# KiCad board Floppy Board v3.1.kicad_pcb (continued)
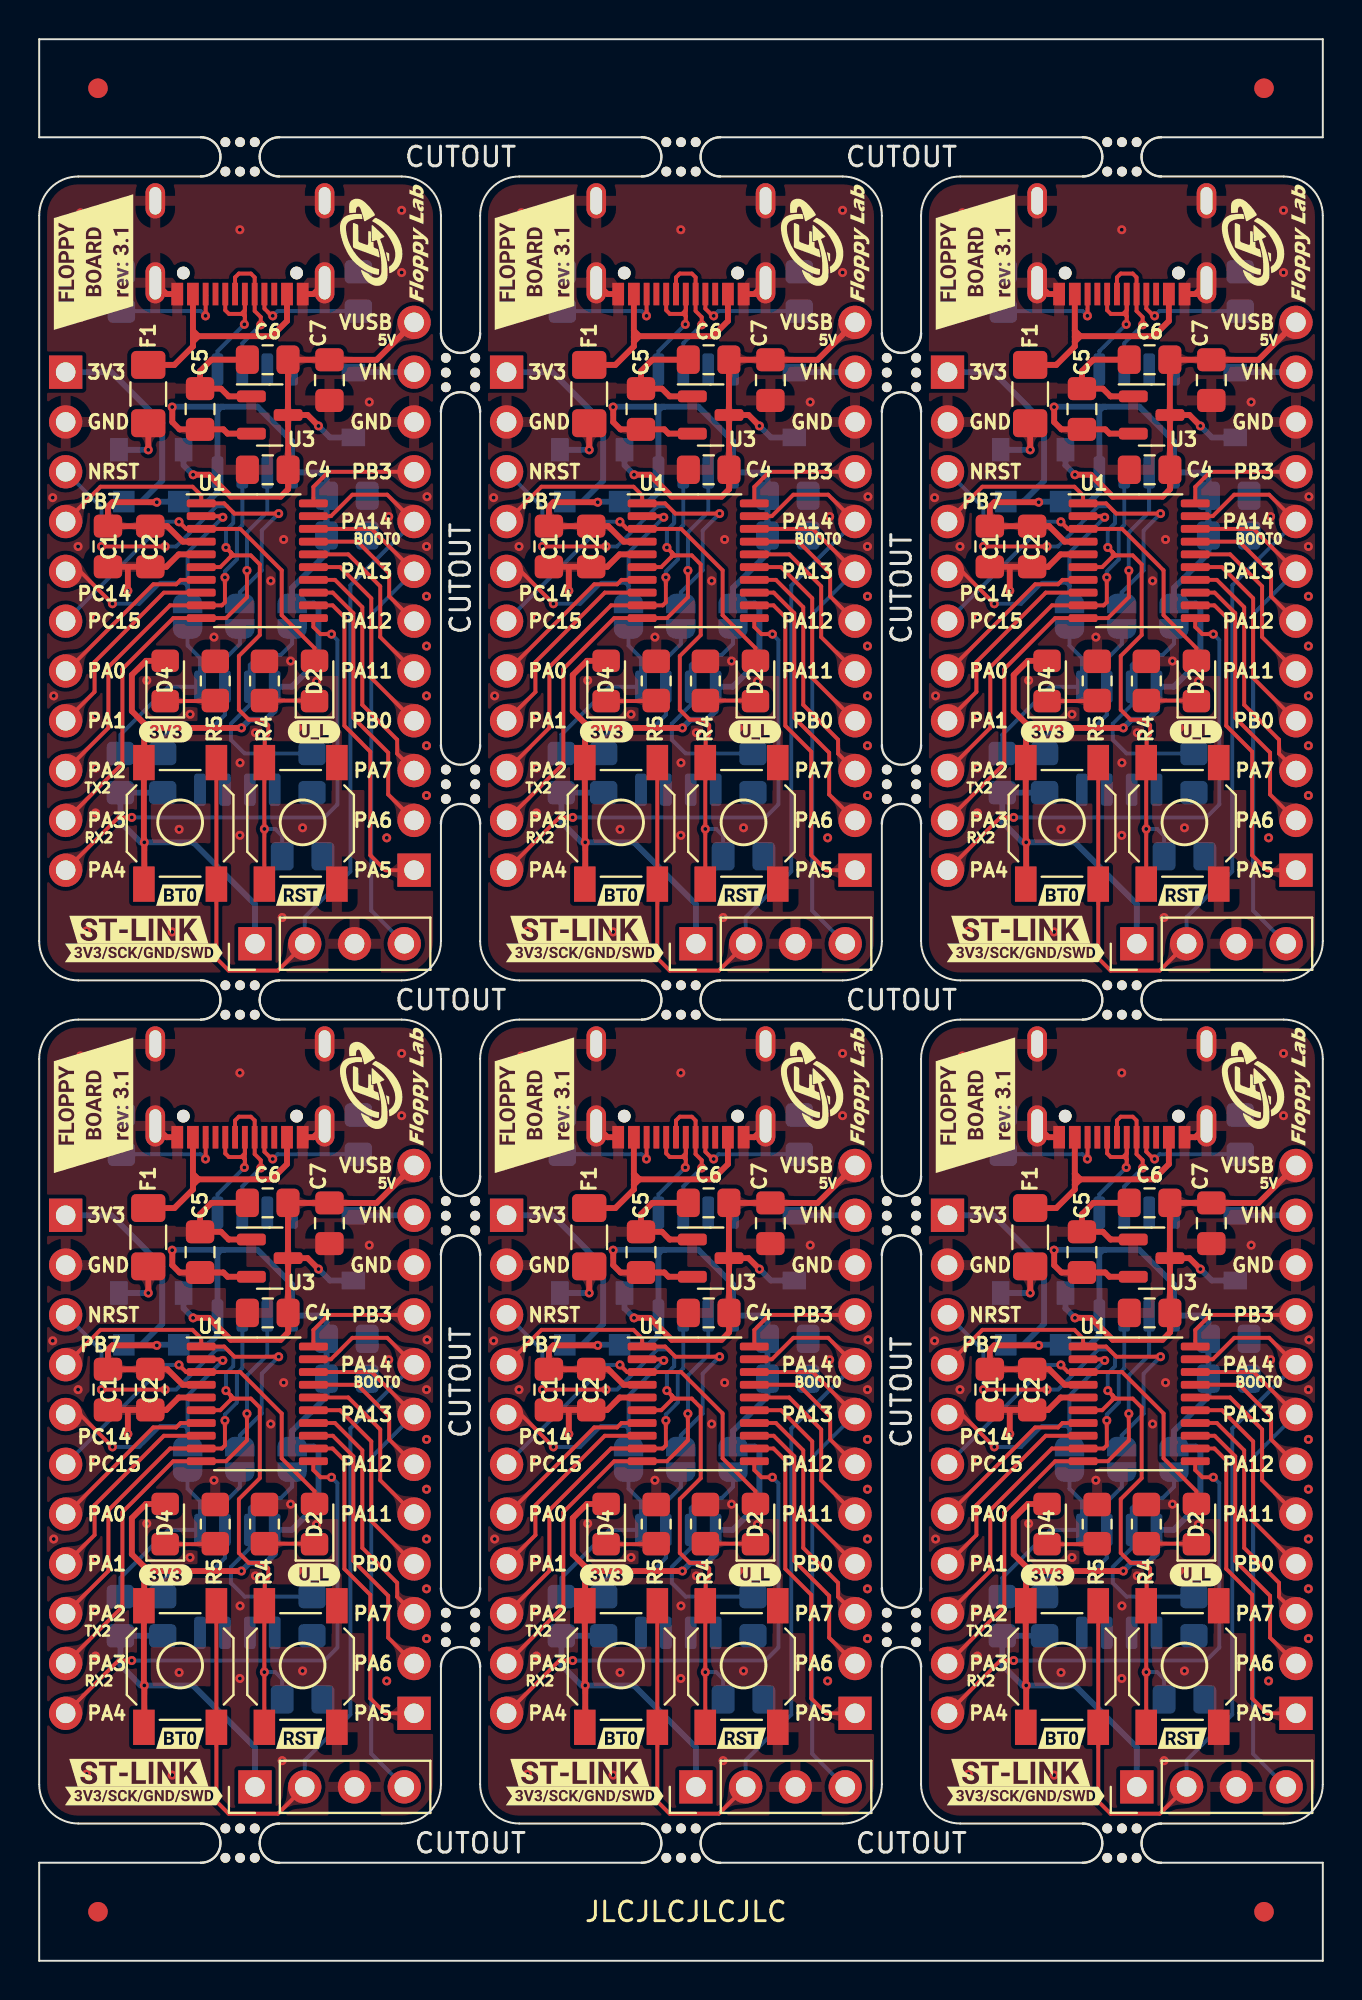
[diagram p0: board, top side]
## Copper pours and planes (outline as drawn; the poured copper is in the pictures) (continued)
+3V3 on Top: 27.93,23.07 28.01,23.13 28.09,23.16 28.16,23.16 28.23,23.13 28.29,23.09 28.36,23.03 28.43,22.96 28.51,22.89 28.59,22.83 28.68,22.78 29.22,23.3 28.52,23.7 28.44,23.63 28.36,23.58 28.29,23.55 28.21,23.53 28.06,23.49 27.98,23.46 27.9,23.42 27.81,23.36 27.72,23.28
+3V3 on Top: 50.49,60.02 50.5,60.14 50.51,60.25 50.53,60.34 50.56,60.41 50.6,60.48 50.64,60.55 50.73,60.69 50.79,60.77 50.84,60.87 50.34,61.38 49.85,60.87 49.9,60.77 49.95,60.69 50.04,60.55 50.08,60.48 50.12,60.41 50.15,60.34 50.17,60.25 50.19,60.14 50.19,60.02
+3V3 on Top: 5.43,66.07 5.51,66.13 5.59,66.16 5.66,66.16 5.73,66.13 5.79,66.09 5.86,66.03 5.93,65.96 6.01,65.89 6.09,65.83 6.18,65.78 6.72,66.3 6.02,66.7 5.94,66.63 5.86,66.58 5.79,66.55 5.71,66.53 5.56,66.49 5.48,66.46 5.4,66.42 5.31,66.36 5.22,66.28
+3V3 on Top: 3.53,74.4 3.45,74.3 3.39,74.21 3.35,74.13 3.32,74.05 3.28,73.9 3.25,73.82 3.22,73.74 3.17,73.67 3.09,73.58 3.51,72.87 4.04,73.42 3.98,73.51 3.92,73.6 3.85,73.67 3.78,73.75 3.73,73.82 3.68,73.88 3.65,73.95 3.65,74.03 3.68,74.1 3.74,74.19
+3V3 on Top: 48.53,31.4 48.45,31.3 48.39,31.21 48.35,31.13 48.32,31.05 48.28,30.9 48.25,30.82 48.22,30.74 48.17,30.67 48.09,30.58 48.51,29.87 49.04,30.42 48.98,30.51 48.92,30.6 48.85,30.67 48.78,30.75 48.73,30.82 48.68,30.88 48.65,30.95 48.65,31.03 48.68,31.1 48.74,31.19
+3V3 on Top: 54.38,35.25 54.24,35.26 54.13,35.27 54.03,35.3 53.95,35.33 53.88,35.37 53.81,35.42 53.66,35.52 53.57,35.58 53.46,35.63 52.91,35.1 53.46,34.57 53.57,34.63 53.66,34.69 53.81,34.79 53.88,34.83 53.95,34.87 54.03,34.91 54.13,34.93 54.24,34.95 54.38,34.95
+3V3 on Top: 6.96,35.09 7.06,35.01 7.15,34.95 7.23,34.91 7.31,34.89 7.47,34.86 7.55,34.84 7.63,34.81 7.71,34.76 7.79,34.69 8.5,35.1 7.95,35.63 7.86,35.58 7.77,35.51 7.7,35.43 7.62,35.36 7.55,35.3 7.48,35.24 7.41,35.21 7.34,35.21 7.26,35.23 7.18,35.3
+3V3 on Top: 27.18,30.32 27.04,30.32 26.93,30.34 26.83,30.36 26.75,30.4 26.68,30.44 26.61,30.48 26.46,30.59 26.37,30.64 26.27,30.7 25.72,30.17 26.27,29.64 26.37,29.69 26.46,29.75 26.61,29.85 26.68,29.9 26.75,29.94 26.83,29.97 26.93,30 27.04,30.01 27.18,30.02
+3V3 on Top: 5.43,23.07 5.51,23.13 5.59,23.16 5.66,23.16 5.73,23.13 5.79,23.09 5.86,23.03 5.93,22.96 6.01,22.89 6.09,22.83 6.18,22.78 6.72,23.3 6.02,23.7 5.94,23.63 5.86,23.58 5.79,23.55 5.71,23.53 5.56,23.49 5.48,23.46 5.4,23.42 5.31,23.36 5.22,23.28
+3V3 on Top: 27.71,62.21 27.7,62.08 27.69,61.98 27.66,61.89 27.63,61.81 27.6,61.74 27.56,61.68 27.46,61.54 27.41,61.46 27.35,61.36 27.84,60.83 28.34,61.34 28.29,61.44 28.24,61.52 28.15,61.67 28.11,61.74 28.08,61.81 28.05,61.88 28.02,61.97 28.01,62.08 28.01,62.21
+3V3 on Top: 50.49,17.02 50.5,17.14 50.51,17.25 50.53,17.34 50.56,17.41 50.6,17.48 50.64,17.55 50.73,17.69 50.79,17.77 50.84,17.87 50.34,18.38 49.85,17.87 49.9,17.77 49.95,17.69 50.04,17.55 50.08,17.48 50.12,17.41 50.15,17.34 50.17,17.25 50.19,17.14 50.19,17.02
+3V3 on Top: 5.21,13.01 5.21,12.88 5.19,12.78 5.17,12.69 5.14,12.61 5.1,12.55 5.06,12.48 4.96,12.34 4.91,12.26 4.86,12.17 5.33,11.63 5.85,12.13 5.8,12.23 5.75,12.32 5.66,12.46 5.62,12.53 5.58,12.6 5.55,12.68 5.53,12.77 5.52,12.88 5.51,13.01
+3V3 on Top: 27.93,66.07 28.01,66.13 28.09,66.16 28.16,66.16 28.23,66.13 28.29,66.09 28.36,66.03 28.43,65.96 28.51,65.89 28.59,65.83 28.68,65.78 29.22,66.3 28.52,66.7 28.44,66.63 28.36,66.58 28.29,66.55 28.21,66.53 28.06,66.49 27.98,66.46 27.9,66.42 27.81,66.36 27.72,66.28
+3V3 on Top: 4.5,73.02 4.64,73.01 4.75,73 4.84,72.97 4.92,72.94 5,72.9 5.07,72.85 5.22,72.75 5.31,72.69 5.41,72.64 5.96,73.17 5.41,73.7 5.31,73.64 5.22,73.59 5.07,73.48 5,73.44 4.92,73.4 4.84,73.36 4.75,73.34 4.64,73.32 4.5,73.32
+3V3 on Top: 51.96,78.09 52.06,78.01 52.15,77.95 52.23,77.91 52.31,77.89 52.47,77.86 52.55,77.84 52.63,77.81 52.71,77.76 52.79,77.69 53.5,78.1 52.95,78.63 52.86,78.58 52.77,78.51 52.7,78.43 52.62,78.36 52.55,78.3 52.48,78.24 52.41,78.21 52.34,78.21 52.26,78.23 52.18,78.3
+3V3 on Top: 5.21,19.21 5.2,19.08 5.19,18.98 5.16,18.89 5.13,18.81 5.1,18.74 5.06,18.68 4.96,18.54 4.91,18.46 4.85,18.36 5.34,17.83 5.84,18.34 5.79,18.44 5.74,18.52 5.65,18.67 5.61,18.74 5.58,18.81 5.55,18.88 5.52,18.97 5.51,19.08 5.51,19.21
+3V3 on Top: 26.03,31.4 25.95,31.3 25.89,31.21 25.85,31.13 25.82,31.05 25.78,30.9 25.75,30.82 25.72,30.74 25.67,30.67 25.59,30.58 26.01,29.87 26.54,30.42 26.48,30.51 26.42,30.6 26.35,30.67 26.28,30.75 26.23,30.82 26.18,30.88 26.15,30.95 26.15,31.03 26.18,31.1 26.24,31.19
+3V3 on Top: 6.96,78.09 7.06,78.01 7.15,77.95 7.23,77.91 7.31,77.89 7.47,77.86 7.55,77.84 7.63,77.81 7.71,77.76 7.79,77.69 8.5,78.1 7.95,78.63 7.86,78.58 7.77,78.51 7.7,78.43 7.62,78.36 7.55,78.3 7.48,78.24 7.41,78.21 7.34,78.21 7.26,78.23 7.18,78.3
+3V3 on Top: 4.68,73.32 4.54,73.32 4.43,73.34 4.33,73.36 4.25,73.4 4.18,73.44 4.11,73.48 3.96,73.59 3.87,73.64 3.77,73.7 3.22,73.17 3.77,72.64 3.87,72.69 3.96,72.75 4.11,72.85 4.18,72.9 4.25,72.94 4.33,72.97 4.43,73 4.54,73.01 4.68,73.02
+3V3 on Top: 5.21,56.01 5.21,55.88 5.19,55.78 5.17,55.69 5.14,55.61 5.1,55.55 5.06,55.48 4.96,55.34 4.91,55.26 4.86,55.17 5.33,54.63 5.85,55.13 5.8,55.23 5.75,55.32 5.66,55.46 5.62,55.53 5.58,55.6 5.55,55.68 5.53,55.77 5.52,55.88 5.51,56.01
+3V3 on Top: 50.21,13.01 50.21,12.88 50.19,12.78 50.17,12.69 50.14,12.61 50.1,12.55 50.06,12.48 49.96,12.34 49.91,12.26 49.86,12.17 50.33,11.63 50.85,12.13 50.8,12.23 50.75,12.32 50.66,12.46 50.62,12.53 50.58,12.6 50.55,12.68 50.53,12.77 50.52,12.88 50.51,13.01
+3V3 on Top: 29.36,30.05 29.27,30.14 29.18,30.21 29.1,30.26 29.03,30.3 28.89,30.37 28.82,30.4 28.74,30.45 28.67,30.51 28.58,30.58 27.87,30.17 28.42,29.64 28.51,29.69 28.59,29.74 28.73,29.85 28.8,29.89 28.86,29.93 28.93,29.94 29,29.94 29.07,29.91 29.15,29.84
+3V3 on Top: 49.68,73.32 49.54,73.32 49.43,73.34 49.33,73.36 49.25,73.4 49.18,73.44 49.11,73.48 48.96,73.59 48.87,73.64 48.77,73.7 48.22,73.17 48.77,72.64 48.87,72.69 48.96,72.75 49.11,72.85 49.18,72.9 49.25,72.94 49.33,72.97 49.43,73 49.54,73.01 49.68,73.02
+3V3 on Top: 26.03,74.4 25.95,74.3 25.89,74.21 25.85,74.13 25.82,74.05 25.78,73.9 25.75,73.82 25.72,73.74 25.67,73.67 25.59,73.58 26.01,72.87 26.54,73.42 26.48,73.51 26.42,73.6 26.35,73.67 26.28,73.75 26.23,73.82 26.18,73.88 26.15,73.95 26.15,74.03 26.18,74.1 26.24,74.19
+3V3 on Top: 31.88,78.25 31.74,78.26 31.63,78.27 31.53,78.3 31.45,78.33 31.38,78.37 31.31,78.42 31.16,78.52 31.07,78.58 30.96,78.63 30.41,78.1 30.96,77.57 31.07,77.63 31.16,77.69 31.31,77.79 31.38,77.83 31.45,77.87 31.53,77.91 31.63,77.93 31.74,77.95 31.88,77.95
+3V3 on Top: 3.53,31.4 3.45,31.3 3.39,31.21 3.35,31.13 3.32,31.05 3.28,30.9 3.25,30.82 3.22,30.74 3.17,30.67 3.09,30.58 3.51,29.87 4.04,30.42 3.98,30.51 3.92,30.6 3.85,30.67 3.78,30.75 3.73,30.82 3.68,30.88 3.65,30.95 3.65,31.03 3.68,31.1 3.74,31.19
+3V3 on Top: 5.21,62.21 5.2,62.08 5.19,61.98 5.16,61.89 5.13,61.81 5.1,61.74 5.06,61.68 4.96,61.54 4.91,61.46 4.85,61.36 5.34,60.83 5.84,61.34 5.79,61.44 5.74,61.52 5.65,61.67 5.61,61.74 5.58,61.81 5.55,61.88 5.52,61.97 5.51,62.08 5.51,62.21
+3V3 on Top: 6.86,30.05 6.77,30.14 6.68,30.21 6.6,30.26 6.53,30.3 6.39,30.37 6.32,30.4 6.24,30.45 6.17,30.51 6.08,30.58 5.37,30.17 5.92,29.64 6.01,29.69 6.09,29.74 6.23,29.85 6.3,29.89 6.36,29.93 6.43,29.94 6.5,29.94 6.57,29.91 6.65,29.84
+3V3 on Top: 27,30.02 27.14,30.01 27.25,30 27.34,29.97 27.42,29.94 27.5,29.9 27.57,29.85 27.72,29.75 27.81,29.69 27.91,29.64 28.46,30.17 27.91,30.7 27.81,30.64 27.72,30.59 27.57,30.48 27.5,30.44 27.42,30.4 27.34,30.36 27.25,30.34 27.14,30.32 27,30.32
+3V3 on Top: 31.88,35.25 31.74,35.26 31.63,35.27 31.53,35.3 31.45,35.33 31.38,35.37 31.31,35.42 31.16,35.52 31.07,35.58 30.96,35.63 30.41,35.1 30.96,34.57 31.07,34.63 31.16,34.69 31.31,34.79 31.38,34.83 31.45,34.87 31.53,34.91 31.63,34.93 31.74,34.95 31.88,34.95
+3V3 on Top: 9.38,78.25 9.24,78.26 9.13,78.27 9.03,78.3 8.95,78.33 8.88,78.37 8.81,78.42 8.66,78.52 8.57,78.58 8.46,78.63 7.91,78.1 8.46,77.57 8.57,77.63 8.66,77.69 8.81,77.79 8.88,77.83 8.95,77.87 9.03,77.91 9.13,77.93 9.24,77.95 9.38,77.95
+3V3 on Top: 27.99,60.02 28,60.14 28.01,60.25 28.03,60.34 28.06,60.41 28.1,60.48 28.14,60.55 28.23,60.69 28.29,60.77 28.34,60.87 27.84,61.38 27.35,60.87 27.4,60.77 27.45,60.69 27.54,60.55 27.58,60.48 27.62,60.41 27.65,60.34 27.67,60.25 27.69,60.14 27.69,60.02
+3V3 on Top: 50.21,62.21 50.2,62.08 50.19,61.98 50.16,61.89 50.13,61.81 50.1,61.74 50.06,61.68 49.96,61.54 49.91,61.46 49.85,61.36 50.34,60.83 50.84,61.34 50.79,61.44 50.74,61.52 50.65,61.67 50.61,61.74 50.58,61.81 50.55,61.88 50.52,61.97 50.51,62.08 50.51,62.21
+3V3 on Top: 51.96,35.09 52.06,35.01 52.15,34.95 52.23,34.91 52.31,34.89 52.47,34.86 52.55,34.84 52.63,34.81 52.71,34.76 52.79,34.69 53.5,35.1 52.95,35.63 52.86,35.58 52.77,35.51 52.7,35.43 52.62,35.36 52.55,35.3 52.48,35.24 52.41,35.21 52.34,35.21 52.26,35.23 52.18,35.3
+3V3 on Top: 27.71,13.01 27.71,12.88 27.69,12.78 27.67,12.69 27.64,12.61 27.6,12.55 27.56,12.48 27.46,12.34 27.41,12.26 27.36,12.17 27.83,11.63 28.35,12.13 28.3,12.23 28.25,12.32 28.16,12.46 28.12,12.53 28.08,12.6 28.05,12.68 28.03,12.77 28.02,12.88 28.01,13.01
+3V3 on Top: 50.43,23.07 50.51,23.13 50.59,23.16 50.66,23.16 50.73,23.13 50.79,23.09 50.86,23.03 50.93,22.96 51.01,22.89 51.09,22.83 51.18,22.78 51.72,23.3 51.02,23.7 50.94,23.63 50.86,23.58 50.79,23.55 50.71,23.53 50.56,23.49 50.48,23.46 50.4,23.42 50.31,23.36 50.22,23.28
+3V3 on Top: 50.43,66.07 50.51,66.13 50.59,66.16 50.66,66.16 50.73,66.13 50.79,66.09 50.86,66.03 50.93,65.96 51.01,65.89 51.09,65.83 51.18,65.78 51.72,66.3 51.02,66.7 50.94,66.63 50.86,66.58 50.79,66.55 50.71,66.53 50.56,66.49 50.48,66.46 50.4,66.42 50.31,66.36 50.22,66.28
+3V3 on Top: 49.5,73.02 49.64,73.01 49.75,73 49.84,72.97 49.92,72.94 50,72.9 50.07,72.85 50.22,72.75 50.31,72.69 50.41,72.64 50.96,73.17 50.41,73.7 50.31,73.64 50.22,73.59 50.07,73.48 50,73.44 49.92,73.4 49.84,73.36 49.75,73.34 49.64,73.32 49.5,73.32
+3V3 on Top: 5.49,17.02 5.5,17.14 5.51,17.25 5.53,17.34 5.56,17.41 5.6,17.48 5.64,17.55 5.73,17.69 5.79,17.77 5.84,17.87 5.34,18.38 4.85,17.87 4.9,17.77 4.95,17.69 5.04,17.55 5.08,17.48 5.12,17.41 5.15,17.34 5.17,17.25 5.19,17.14 5.19,17.02
+3V3 on Top: 27,73.02 27.14,73.01 27.25,73 27.34,72.97 27.42,72.94 27.5,72.9 27.57,72.85 27.72,72.75 27.81,72.69 27.91,72.64 28.46,73.17 27.91,73.7 27.81,73.64 27.72,73.59 27.57,73.48 27.5,73.44 27.42,73.4 27.34,73.36 27.25,73.34 27.14,73.32 27,73.32
+3V3 on Top: 51.86,30.05 51.77,30.14 51.68,30.21 51.6,30.26 51.53,30.3 51.39,30.37 51.32,30.4 51.24,30.45 51.17,30.51 51.08,30.58 50.37,30.17 50.92,29.64 51.01,29.69 51.09,29.74 51.23,29.85 51.3,29.89 51.36,29.93 51.43,29.94 51.5,29.94 51.57,29.91 51.65,29.84
+3V3 on Bottom: 36.83,75.7 36.9,75.62 36.93,75.55 36.93,75.48 36.92,75.41 36.89,75.35 36.84,75.28 36.74,75.14 36.68,75.06 36.63,74.98 37.16,74.43 37.58,75.14 37.5,75.22 37.44,75.3 37.4,75.37 37.36,75.44 37.29,75.58 37.25,75.65 37.2,75.73 37.13,75.82 37.04,75.91
+3V3 on Bottom: 10.86,10.56 10.85,10.36 10.82,10.2 10.78,10.06 10.72,9.95 10.66,9.84 10.58,9.74 10.5,9.64 10.42,9.53 10.33,9.4 10.25,9.24 11.01,8.44 11.78,9.24 11.69,9.4 11.6,9.53 11.52,9.64 11.44,9.74 11.36,9.84 11.3,9.95 11.24,10.06 11.2,10.2 11.17,10.36 11.16,10.56
+3V3 on Bottom: 55.86,53.56 55.85,53.36 55.82,53.2 55.78,53.06 55.72,52.95 55.66,52.84 55.58,52.74 55.5,52.64 55.42,52.53 55.33,52.4 55.24,52.24 56.01,51.44 56.77,52.24 56.69,52.4 56.6,52.53 56.52,52.64 56.44,52.74 56.36,52.84 56.3,52.95 56.24,53.06 56.2,53.2 56.17,53.36 56.16,53.56
+3V3 on Bottom: 14.33,32.7 14.4,32.62 14.43,32.55 14.43,32.48 14.42,32.41 14.39,32.35 14.34,32.28 14.24,32.14 14.18,32.06 14.13,31.98 14.66,31.43 15.08,32.14 15,32.22 14.94,32.3 14.9,32.37 14.86,32.44 14.79,32.58 14.75,32.65 14.7,32.73 14.63,32.82 14.54,32.91
+3V3 on Bottom: 28.63,31.3 28.71,31.37 28.79,31.39 28.86,31.38 28.93,31.34 28.99,31.28 29.06,31.21 29.13,31.13 29.2,31.05 29.29,30.98 29.38,30.92 29.89,31.42 29.23,31.8 29.15,31.74 29.07,31.7 29,31.68 28.92,31.68 28.76,31.67 28.68,31.66 28.59,31.64 28.51,31.59 28.42,31.51
+3V3 on Bottom: 26.79,58.38 26.8,58.52 26.82,58.64 26.84,58.73 26.88,58.81 26.92,58.89 26.96,58.96 27.02,59.03 27.07,59.11 27.13,59.2 27.18,59.31 26.64,59.87 26.1,59.31 26.16,59.2 26.22,59.11 26.27,59.03 26.32,58.96 26.37,58.89 26.41,58.81 26.45,58.73 26.47,58.64 26.49,58.52 26.49,58.38
+3V3 on Bottom: 5.11,16.42 5.25,16.42 5.37,16.4 5.46,16.37 5.54,16.34 5.62,16.3 5.69,16.25 5.76,16.2 5.84,16.15 5.93,16.09 6.04,16.03 6.6,16.57 6.04,17.11 5.93,17.06 5.84,17 5.76,16.94 5.69,16.89 5.62,16.85 5.54,16.81 5.46,16.77 5.37,16.75 5.25,16.73 5.11,16.72
+3V3 on Bottom: 59.51,30.86 59.51,30.72 59.49,30.61 59.47,30.51 59.43,30.43 59.39,30.36 59.35,30.29 59.25,30.14 59.19,30.05 59.13,29.94 59.66,29.4 60.19,29.94 60.14,30.05 60.08,30.14 59.98,30.29 59.93,30.36 59.89,30.43 59.86,30.51 59.84,30.61 59.82,30.72 59.81,30.86
+3V3 on Bottom: 5.33,16.72 5.2,16.73 5.08,16.75 4.99,16.77 4.9,16.81 4.83,16.85 4.76,16.89 4.68,16.94 4.6,17 4.51,17.06 4.41,17.11 3.84,16.57 4.41,16.03 4.51,16.09 4.6,16.15 4.68,16.2 4.76,16.25 4.83,16.3 4.9,16.34 4.99,16.37 5.08,16.4 5.2,16.42 5.33,16.42
+3V3 on Bottom: 51.13,74.3 51.21,74.37 51.29,74.39 51.36,74.38 51.43,74.34 51.49,74.28 51.56,74.21 51.63,74.13 51.7,74.05 51.79,73.98 51.88,73.92 52.39,74.42 51.73,74.8 51.65,74.74 51.57,74.7 51.5,74.68 51.42,74.68 51.26,74.67 51.18,74.66 51.09,74.64 51.01,74.59 50.92,74.51
+3V3 on Bottom: 5.33,59.72 5.2,59.73 5.08,59.75 4.99,59.77 4.9,59.81 4.83,59.85 4.76,59.89 4.68,59.94 4.6,60 4.51,60.06 4.41,60.11 3.84,59.57 4.41,59.03 4.51,59.09 4.6,59.15 4.68,59.2 4.76,59.25 4.83,59.3 4.9,59.34 4.99,59.37 5.08,59.4 5.2,59.42 5.33,59.42
+3V3 on Bottom: 27.83,59.72 27.7,59.73 27.58,59.75 27.49,59.77 27.4,59.81 27.33,59.85 27.26,59.89 27.18,59.94 27.1,60 27.01,60.06 26.91,60.11 26.34,59.57 26.91,59.03 27.01,59.09 27.1,59.15 27.18,59.2 27.26,59.25 27.33,59.3 27.4,59.34 27.49,59.37 27.58,59.4 27.7,59.42 27.83,59.42
+3V3 on Bottom: 59.33,75.7 59.4,75.62 59.43,75.55 59.43,75.48 59.42,75.41 59.39,75.35 59.34,75.28 59.24,75.14 59.18,75.06 59.13,74.98 59.66,74.43 60.08,75.14 60,75.22 59.94,75.3 59.9,75.37 59.86,75.44 59.79,75.58 59.75,75.65 59.7,75.73 59.63,75.82 59.54,75.91
+3V3 on Bottom: 37.08,28.48 37.17,28.58 37.23,28.66 37.28,28.75 37.32,28.82 37.38,28.97 37.41,29.04 37.45,29.11 37.5,29.19 37.58,29.27 37.16,29.98 36.63,29.43 36.68,29.35 36.74,29.27 36.86,29.12 36.91,29.05 36.95,28.99 36.97,28.92 36.96,28.85 36.93,28.77 36.87,28.7
+3V3 on Bottom: 10.86,53.56 10.85,53.36 10.82,53.2 10.78,53.06 10.72,52.95 10.66,52.84 10.58,52.74 10.5,52.64 10.42,52.53 10.33,52.4 10.25,52.24 11.01,51.44 11.78,52.24 11.69,52.4 11.6,52.53 11.52,52.64 11.44,52.74 11.36,52.84 11.3,52.95 11.24,53.06 11.2,53.2 11.17,53.36 11.16,53.56
+3V3 on Bottom: 37.01,30.86 37.01,30.72 36.99,30.61 36.97,30.51 36.93,30.43 36.89,30.36 36.85,30.29 36.75,30.14 36.69,30.05 36.63,29.94 37.16,29.4 37.69,29.94 37.64,30.05 37.58,30.14 37.48,30.29 37.43,30.36 37.39,30.43 37.36,30.51 37.34,30.61 37.32,30.72 37.31,30.86
+3V3 on Bottom: 30.71,31.57 30.58,31.57 30.48,31.59 30.39,31.61 30.31,31.64 30.25,31.67 30.18,31.72 30.04,31.81 29.96,31.86 29.86,31.91 29.34,31.42 29.86,30.92 29.96,30.97 30.04,31.02 30.18,31.12 30.25,31.16 30.31,31.19 30.39,31.22 30.48,31.25 30.58,31.26 30.71,31.27
+3V3 on Bottom: 49.29,58.38 49.3,58.52 49.32,58.64 49.34,58.73 49.38,58.81 49.42,58.89 49.46,58.96 49.52,59.03 49.57,59.11 49.63,59.2 49.68,59.31 49.14,59.87 48.6,59.31 48.66,59.2 48.72,59.11 48.77,59.03 48.82,58.96 48.87,58.89 48.91,58.81 48.95,58.73 48.97,58.64 48.99,58.52 48.99,58.38
+3V3 on Bottom: 53.21,74.57 53.08,74.57 52.98,74.59 52.89,74.61 52.81,74.64 52.75,74.67 52.68,74.72 52.54,74.81 52.46,74.86 52.36,74.91 51.84,74.42 52.36,73.92 52.46,73.97 52.54,74.02 52.68,74.12 52.75,74.16 52.81,74.19 52.89,74.22 52.98,74.25 53.08,74.26 53.21,74.27
+3V3 on Bottom: 50.11,16.42 50.25,16.42 50.37,16.4 50.46,16.37 50.54,16.34 50.62,16.3 50.69,16.25 50.76,16.2 50.84,16.15 50.93,16.09 51.04,16.03 51.6,16.57 51.04,17.11 50.93,17.06 50.84,17 50.76,16.94 50.69,16.89 50.62,16.85 50.54,16.81 50.46,16.77 50.37,16.75 50.25,16.73 50.11,16.72
+3V3 on Bottom: 59.58,71.48 59.67,71.58 59.73,71.66 59.78,71.75 59.82,71.82 59.88,71.97 59.91,72.04 59.95,72.11 60,72.19 60.08,72.27 59.66,72.98 59.13,72.43 59.18,72.35 59.24,72.27 59.36,72.12 59.41,72.05 59.45,71.99 59.47,71.92 59.46,71.85 59.43,71.77 59.37,71.7
+3V3 on Bottom: 26.79,15.38 26.8,15.52 26.82,15.64 26.84,15.73 26.88,15.81 26.92,15.89 26.96,15.96 27.02,16.03 27.07,16.11 27.13,16.2 27.18,16.31 26.64,16.87 26.1,16.31 26.16,16.2 26.22,16.11 26.27,16.03 26.32,15.96 26.37,15.89 26.41,15.81 26.45,15.73 26.47,15.64 26.49,15.52 26.49,15.38
+3V3 on Bottom: 8.21,31.57 8.08,31.57 7.98,31.59 7.89,31.61 7.81,31.64 7.75,31.67 7.68,31.72 7.54,31.81 7.46,31.86 7.36,31.91 6.84,31.42 7.36,30.92 7.46,30.97 7.54,31.02 7.68,31.12 7.75,31.16 7.81,31.19 7.89,31.22 7.98,31.25 8.08,31.26 8.21,31.27
+3V3 on Bottom: 37.08,71.48 37.17,71.58 37.23,71.66 37.28,71.75 37.32,71.82 37.38,71.97 37.41,72.04 37.45,72.11 37.5,72.19 37.58,72.27 37.16,72.98 36.63,72.43 36.68,72.35 36.74,72.27 36.86,72.12 36.91,72.05 36.95,71.99 36.97,71.92 36.96,71.85 36.93,71.77 36.87,71.7
+3V3 on Bottom: 30.71,74.57 30.58,74.57 30.48,74.59 30.39,74.61 30.31,74.64 30.25,74.67 30.18,74.72 30.04,74.81 29.96,74.86 29.86,74.91 29.34,74.42 29.86,73.92 29.96,73.97 30.04,74.02 30.18,74.12 30.25,74.16 30.31,74.19 30.39,74.22 30.48,74.25 30.58,74.26 30.71,74.27
+3V3 on Bottom: 14.58,71.48 14.67,71.58 14.73,71.66 14.78,71.75 14.82,71.82 14.88,71.97 14.91,72.04 14.95,72.11 15,72.19 15.08,72.27 14.66,72.98 14.13,72.43 14.18,72.35 14.24,72.27 14.36,72.12 14.41,72.05 14.45,71.99 14.47,71.92 14.46,71.85 14.43,71.77 14.37,71.7
+3V3 on Bottom: 27.61,59.42 27.75,59.42 27.87,59.4 27.96,59.37 28.04,59.34 28.12,59.3 28.19,59.25 28.26,59.2 28.34,59.15 28.43,59.09 28.54,59.03 29.1,59.57 28.54,60.11 28.43,60.06 28.34,60 28.26,59.94 28.19,59.89 28.12,59.85 28.04,59.81 27.96,59.77 27.87,59.75 27.75,59.73 27.61,59.72
+3V3 on Bottom: 51.13,31.3 51.21,31.37 51.29,31.39 51.36,31.38 51.43,31.34 51.49,31.28 51.56,31.21 51.63,31.13 51.7,31.05 51.79,30.98 51.88,30.92 52.39,31.42 51.73,31.8 51.65,31.74 51.57,31.7 51.5,31.68 51.42,31.68 51.26,31.67 51.18,31.66 51.09,31.64 51.01,31.59 50.92,31.51
+3V3 on Bottom: 33.36,53.56 33.35,53.36 33.32,53.2 33.28,53.06 33.22,52.95 33.16,52.84 33.08,52.74 33,52.64 32.92,52.53 32.83,52.4 32.74,52.24 33.51,51.44 34.27,52.24 34.19,52.4 34.1,52.53 34.02,52.64 33.94,52.74 33.86,52.84 33.8,52.95 33.74,53.06 33.7,53.2 33.67,53.36 33.66,53.56
+3V3 on Bottom: 14.51,73.86 14.51,73.72 14.49,73.61 14.47,73.51 14.43,73.43 14.39,73.36 14.35,73.29 14.25,73.14 14.19,73.05 14.13,72.94 14.66,72.4 15.19,72.94 15.14,73.05 15.08,73.14 14.98,73.29 14.93,73.36 14.89,73.43 14.86,73.51 14.84,73.61 14.82,73.72 14.81,73.86
+3V3 on Bottom: 49.29,15.38 49.3,15.52 49.32,15.64 49.34,15.73 49.38,15.81 49.42,15.89 49.46,15.96 49.52,16.03 49.57,16.11 49.63,16.2 49.68,16.31 49.14,16.87 48.6,16.31 48.66,16.2 48.72,16.11 48.77,16.03 48.82,15.96 48.87,15.89 48.91,15.81 48.95,15.73 48.97,15.64 48.99,15.52 48.99,15.38
+3V3 on Bottom: 4.29,15.38 4.3,15.52 4.32,15.64 4.34,15.73 4.38,15.81 4.42,15.89 4.46,15.96 4.52,16.03 4.57,16.11 4.63,16.2 4.68,16.31 4.14,16.87 3.6,16.31 3.66,16.2 3.72,16.11 3.77,16.03 3.82,15.96 3.87,15.89 3.91,15.81 3.95,15.73 3.97,15.64 3.99,15.52 3.99,15.38
+3V3 on Bottom: 59.58,28.48 59.67,28.58 59.73,28.66 59.78,28.75 59.82,28.82 59.88,28.97 59.91,29.04 59.95,29.11 60,29.19 60.08,29.27 59.66,29.98 59.13,29.43 59.18,29.35 59.24,29.27 59.36,29.12 59.41,29.05 59.45,28.99 59.47,28.92 59.46,28.85 59.43,28.77 59.37,28.7
+3V3 on Bottom: 27.61,16.42 27.75,16.42 27.87,16.4 27.96,16.37 28.04,16.34 28.12,16.3 28.19,16.25 28.26,16.2 28.34,16.15 28.43,16.09 28.54,16.03 29.1,16.57 28.54,17.11 28.43,17.06 28.34,17 28.26,16.94 28.19,16.89 28.12,16.85 28.04,16.81 27.96,16.77 27.87,16.75 27.75,16.73 27.61,16.72
+3V3 on Bottom: 8.21,74.57 8.08,74.57 7.98,74.59 7.89,74.61 7.81,74.64 7.75,74.67 7.68,74.72 7.54,74.81 7.46,74.86 7.36,74.91 6.84,74.42 7.36,73.92 7.46,73.97 7.54,74.02 7.68,74.12 7.75,74.16 7.81,74.19 7.89,74.22 7.98,74.25 8.08,74.26 8.21,74.27
+3V3 on Bottom: 36.83,32.7 36.9,32.62 36.93,32.55 36.93,32.48 36.92,32.41 36.89,32.35 36.84,32.28 36.74,32.14 36.68,32.06 36.63,31.98 37.16,31.43 37.58,32.14 37.5,32.22 37.44,32.3 37.4,32.37 37.36,32.44 37.29,32.58 37.25,32.65 37.2,32.73 37.13,32.82 37.04,32.91
+3V3 on Bottom: 59.81,73.55 59.82,73.69 59.84,73.8 59.86,73.9 59.89,73.98 59.93,74.05 59.98,74.12 60.08,74.27 60.14,74.36 60.19,74.46 59.66,75.01 59.13,74.46 59.19,74.36 59.25,74.27 59.35,74.12 59.39,74.05 59.43,73.98 59.47,73.9 59.49,73.8 59.51,73.69 59.51,73.55
+3V3 on Bottom: 4.29,58.38 4.3,58.52 4.32,58.64 4.34,58.73 4.38,58.81 4.42,58.89 4.46,58.96 4.52,59.03 4.57,59.11 4.63,59.2 4.68,59.31 4.14,59.87 3.6,59.31 3.66,59.2 3.72,59.11 3.77,59.03 3.82,58.96 3.87,58.89 3.91,58.81 3.95,58.73 3.97,58.64 3.99,58.52 3.99,58.38
+3V3 on Bottom: 37.31,73.55 37.32,73.69 37.34,73.8 37.36,73.9 37.39,73.98 37.43,74.05 37.48,74.12 37.58,74.27 37.64,74.36 37.69,74.46 37.16,75.01 36.63,74.46 36.69,74.36 36.75,74.27 36.85,74.12 36.89,74.05 36.93,73.98 36.97,73.9 36.99,73.8 37.01,73.69 37.01,73.55
+3V3 on Bottom: 6.13,74.3 6.21,74.37 6.29,74.39 6.36,74.38 6.43,74.34 6.49,74.28 6.56,74.21 6.63,74.13 6.7,74.05 6.79,73.98 6.88,73.92 7.39,74.42 6.73,74.8 6.65,74.74 6.57,74.7 6.5,74.68 6.42,74.68 6.26,74.67 6.18,74.66 6.09,74.64 6.01,74.59 5.92,74.51
+3V3 on Bottom: 6.13,31.3 6.21,31.37 6.29,31.39 6.36,31.38 6.43,31.34 6.49,31.28 6.56,31.21 6.63,31.13 6.7,31.05 6.79,30.98 6.88,30.92 7.39,31.42 6.73,31.8 6.65,31.74 6.57,31.7 6.5,31.68 6.42,31.68 6.26,31.67 6.18,31.66 6.09,31.64 6.01,31.59 5.92,31.51
+3V3 on Bottom: 33.36,10.56 33.35,10.36 33.32,10.2 33.28,10.06 33.22,9.95 33.16,9.84 33.08,9.74 33,9.64 32.92,9.53 32.83,9.4 32.74,9.24 33.51,8.44 34.27,9.24 34.19,9.4 34.1,9.53 34.02,9.64 33.94,9.74 33.86,9.84 33.8,9.95 33.74,10.06 33.7,10.2 33.67,10.36 33.66,10.56
+3V3 on Bottom: 14.81,30.55 14.82,30.69 14.84,30.8 14.86,30.9 14.89,30.98 14.93,31.05 14.98,31.12 15.08,31.27 15.14,31.36 15.19,31.46 14.66,32.01 14.13,31.46 14.19,31.36 14.25,31.27 14.35,31.12 14.39,31.05 14.43,30.98 14.47,30.9 14.49,30.8 14.51,30.69 14.51,30.55
+3V3 on Bottom: 50.11,59.42 50.25,59.42 50.37,59.4 50.46,59.37 50.54,59.34 50.62,59.3 50.69,59.25 50.76,59.2 50.84,59.15 50.93,59.09 51.04,59.03 51.6,59.57 51.04,60.11 50.93,60.06 50.84,60 50.76,59.94 50.69,59.89 50.62,59.85 50.54,59.81 50.46,59.77 50.37,59.75 50.25,59.73 50.11,59.72
+3V3 on Bottom: 59.51,73.86 59.51,73.72 59.49,73.61 59.47,73.51 59.43,73.43 59.39,73.36 59.35,73.29 59.25,73.14 59.19,73.05 59.13,72.94 59.66,72.4 60.19,72.94 60.14,73.05 60.08,73.14 59.98,73.29 59.93,73.36 59.89,73.43 59.86,73.51 59.84,73.61 59.82,73.72 59.81,73.86
+3V3 on Bottom: 53.21,31.57 53.08,31.57 52.98,31.59 52.89,31.61 52.81,31.64 52.75,31.67 52.68,31.72 52.54,31.81 52.46,31.86 52.36,31.91 51.84,31.42 52.36,30.92 52.46,30.97 52.54,31.02 52.68,31.12 52.75,31.16 52.81,31.19 52.89,31.22 52.98,31.25 53.08,31.26 53.21,31.27
+3V3 on Bottom: 59.81,30.55 59.82,30.69 59.84,30.8 59.86,30.9 59.89,30.98 59.93,31.05 59.98,31.12 60.08,31.27 60.14,31.36 60.19,31.46 59.66,32.01 59.13,31.46 59.19,31.36 59.25,31.27 59.35,31.12 59.39,31.05 59.43,30.98 59.47,30.9 59.49,30.8 59.51,30.69 59.51,30.55
+3V3 on Bottom: 14.33,75.7 14.4,75.62 14.43,75.55 14.43,75.48 14.42,75.41 14.39,75.35 14.34,75.28 14.24,75.14 14.18,75.06 14.13,74.98 14.66,74.43 15.08,75.14 15,75.22 14.94,75.3 14.9,75.37 14.86,75.44 14.79,75.58 14.75,75.65 14.7,75.73 14.63,75.82 14.54,75.91
+3V3 on Bottom: 37.01,73.86 37.01,73.72 36.99,73.61 36.97,73.51 36.93,73.43 36.89,73.36 36.85,73.29 36.75,73.14 36.69,73.05 36.63,72.94 37.16,72.4 37.69,72.94 37.64,73.05 37.58,73.14 37.48,73.29 37.43,73.36 37.39,73.43 37.36,73.51 37.34,73.61 37.32,73.72 37.31,73.86
+3V3 on Bottom: 5.11,59.42 5.25,59.42 5.37,59.4 5.46,59.37 5.54,59.34 5.62,59.3 5.69,59.25 5.76,59.2 5.84,59.15 5.93,59.09 6.04,59.03 6.6,59.57 6.04,60.11 5.93,60.06 5.84,60 5.76,59.94 5.69,59.89 5.62,59.85 5.54,59.81 5.46,59.77 5.37,59.75 5.25,59.73 5.11,59.72
+3V3 on Bottom: 55.86,10.56 55.85,10.36 55.82,10.2 55.78,10.06 55.72,9.95 55.66,9.84 55.58,9.74 55.5,9.64 55.42,9.53 55.33,9.4 55.24,9.24 56.01,8.44 56.77,9.24 56.69,9.4 56.6,9.53 56.52,9.64 56.44,9.74 56.36,9.84 56.3,9.95 56.24,10.06 56.2,10.2 56.17,10.36 56.16,10.56
+3V3 on Bottom: 27.83,16.72 27.7,16.73 27.58,16.75 27.49,16.77 27.4,16.81 27.33,16.85 27.26,16.89 27.18,16.94 27.1,17 27.01,17.06 26.91,17.11 26.34,16.57 26.91,16.03 27.01,16.09 27.1,16.15 27.18,16.2 27.26,16.25 27.33,16.3 27.4,16.34 27.49,16.37 27.58,16.4 27.7,16.42 27.83,16.42
+3V3 on Bottom: 14.51,30.86 14.51,30.72 14.49,30.61 14.47,30.51 14.43,30.43 14.39,30.36 14.35,30.29 14.25,30.14 14.19,30.05 14.13,29.94 14.66,29.4 15.19,29.94 15.14,30.05 15.08,30.14 14.98,30.29 14.93,30.36 14.89,30.43 14.86,30.51 14.84,30.61 14.82,30.72 14.81,30.86
